# Altium PCB PCB.PcbDoc (part 6 of 11) (continued)
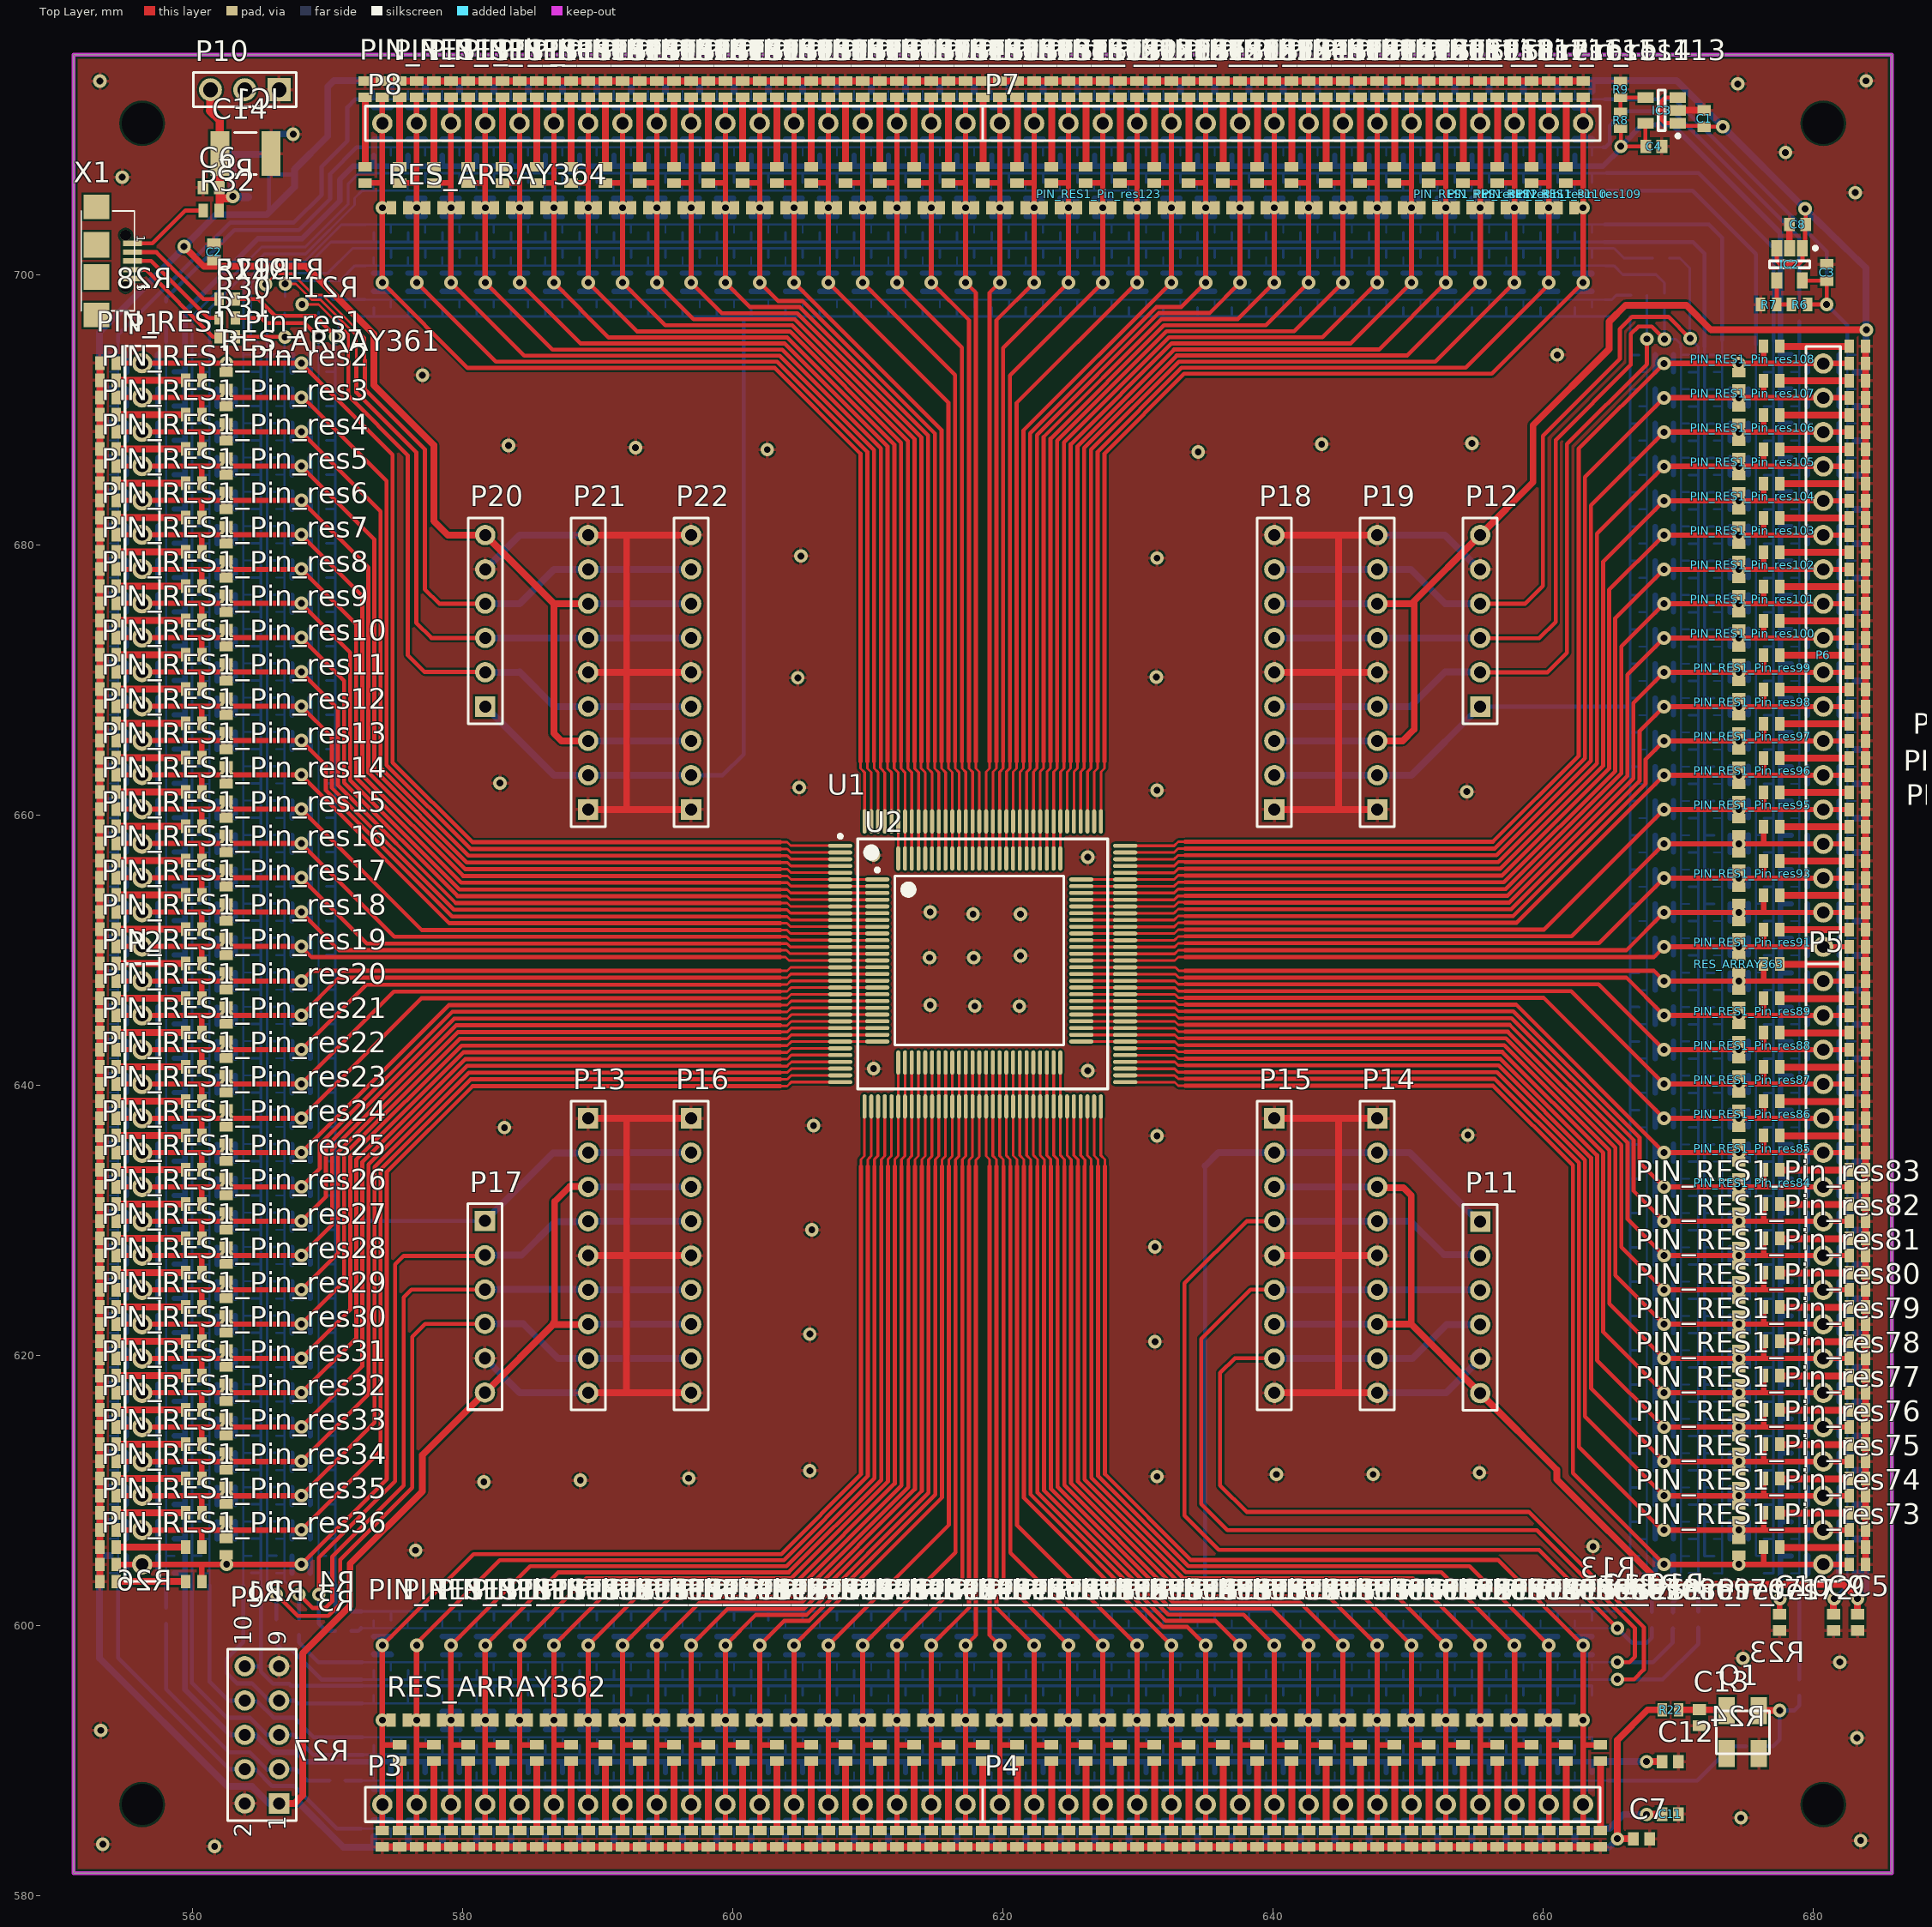
[diagram p0: Top Layer view]
## Nets (pads, with @x,y where several pads share a name; then routed paths per layer and width w, separated by ;. In a path a pad name is that pad's centre, name@x,y a point inside that pad or via, vN(x,y) a via of type N, cw(c..) or ccw(c..) an arc to the next point about the centre after c; other vN are vias at no path point) (continued)
NetPIN_RES1_Pin_res68_15: PIN_RES1_Pin_res68.15 | length 5.2
  Top Layer w0.5: PIN_RES1_Pin_res68.15@654.075,584.749 PIN_RES1_Pin_res68.15@654.075,589.899
NetPIN_RES1_Pin_res69_15: PIN_RES1_Pin_res69.15 | length 5.2
  Top Layer w0.5: PIN_RES1_Pin_res69.15@656.615,584.749 PIN_RES1_Pin_res69.15@656.615,589.899
NetPIN_RES1_Pin_res70_15: PIN_RES1_Pin_res70.15 | length 5.2
  Top Layer w0.5: PIN_RES1_Pin_res70.15@659.155,584.749 PIN_RES1_Pin_res70.15@659.155,589.899
NetPIN_RES1_Pin_res71_15: PIN_RES1_Pin_res71.15 | length 5.2
  Top Layer w0.5: PIN_RES1_Pin_res71.15@661.695,584.749 PIN_RES1_Pin_res71.15@661.695,589.899
NetPIN_RES1_Pin_res72_15: PIN_RES1_Pin_res72.15 | length 5.2
  Top Layer w0.5: PIN_RES1_Pin_res72.15@664.235,584.749 PIN_RES1_Pin_res72.15@664.235,589.899
NetPIN_RES1_Pin_res73_15: PIN_RES1_Pin_res73.15 | length 5.2
  Top Layer w0.5: PIN_RES1_Pin_res73.15@677.459,605.765 PIN_RES1_Pin_res73.15@682.609,605.765
NetPIN_RES1_Pin_res74_15: PIN_RES1_Pin_res74.15 | length 5.2
  Top Layer w0.5: PIN_RES1_Pin_res74.15@677.459,608.305 PIN_RES1_Pin_res74.15@682.609,608.305
NetPIN_RES1_Pin_res75_15: PIN_RES1_Pin_res75.15 | length 5.2
  Top Layer w0.5: PIN_RES1_Pin_res75.15@677.459,610.845 PIN_RES1_Pin_res75.15@682.609,610.845
NetPIN_RES1_Pin_res76_15: PIN_RES1_Pin_res76.15 | length 5.2
  Top Layer w0.5: PIN_RES1_Pin_res76.15@677.459,613.385 PIN_RES1_Pin_res76.15@682.609,613.385
NetPIN_RES1_Pin_res77_15: PIN_RES1_Pin_res77.15 | length 5.2
  Top Layer w0.5: PIN_RES1_Pin_res77.15@677.459,615.925 PIN_RES1_Pin_res77.15@682.609,615.925
NetPIN_RES1_Pin_res78_15: PIN_RES1_Pin_res78.15 | length 5.2
  Top Layer w0.5: PIN_RES1_Pin_res78.15@677.459,618.465 PIN_RES1_Pin_res78.15@682.609,618.465
NetPIN_RES1_Pin_res79_15: PIN_RES1_Pin_res79.15 | length 5.2
  Top Layer w0.5: PIN_RES1_Pin_res79.15@677.459,621.005 PIN_RES1_Pin_res79.15@682.609,621.005
NetPIN_RES1_Pin_res80_15: PIN_RES1_Pin_res80.15 | length 5.2
  Top Layer w0.5: PIN_RES1_Pin_res80.15@677.459,623.545 PIN_RES1_Pin_res80.15@682.609,623.545
NetPIN_RES1_Pin_res81_15: PIN_RES1_Pin_res81.15 | length 5.2
  Top Layer w0.5: PIN_RES1_Pin_res81.15@677.459,626.085 PIN_RES1_Pin_res81.15@682.609,626.085
NetPIN_RES1_Pin_res82_15: PIN_RES1_Pin_res82.15 | length 5.2
  Top Layer w0.5: PIN_RES1_Pin_res82.15@677.459,628.625 PIN_RES1_Pin_res82.15@682.609,628.625
NetPIN_RES1_Pin_res83_15: PIN_RES1_Pin_res83.15 | length 5.2
  Top Layer w0.5: PIN_RES1_Pin_res83.15@677.459,631.165 PIN_RES1_Pin_res83.15@682.609,631.165
NetPIN_RES1_Pin_res84_15: PIN_RES1_Pin_res84.15 | length 5.2
  Top Layer w0.5: PIN_RES1_Pin_res84.15@677.459,633.705 PIN_RES1_Pin_res84.15@682.609,633.705
NetPIN_RES1_Pin_res85_15: PIN_RES1_Pin_res85.15 | length 5.2
  Top Layer w0.5: PIN_RES1_Pin_res85.15@677.459,636.245 PIN_RES1_Pin_res85.15@682.609,636.245
NetPIN_RES1_Pin_res86_15: PIN_RES1_Pin_res86.15 | length 5.2
  Top Layer w0.5: PIN_RES1_Pin_res86.15@677.459,638.785 PIN_RES1_Pin_res86.15@682.609,638.785
NetPIN_RES1_Pin_res87_15: PIN_RES1_Pin_res87.15 | length 5.2
  Top Layer w0.5: PIN_RES1_Pin_res87.15@677.459,641.325 PIN_RES1_Pin_res87.15@682.609,641.325
NetPIN_RES1_Pin_res88_15: PIN_RES1_Pin_res88.15 | length 5.2
  Top Layer w0.5: PIN_RES1_Pin_res88.15@677.459,643.865 PIN_RES1_Pin_res88.15@682.609,643.865
NetPIN_RES1_Pin_res89_15: PIN_RES1_Pin_res89.15 | length 5.2
  Top Layer w0.5: PIN_RES1_Pin_res89.15@677.459,646.405 PIN_RES1_Pin_res89.15@682.609,646.405
NetPIN_RES1_Pin_res90_15: PIN_RES1_Pin_res90.15 | length 5.2
  Top Layer w0.5: PIN_RES1_Pin_res90.15@677.459,648.945 PIN_RES1_Pin_res90.15@682.609,648.945
NetPIN_RES1_Pin_res91_15: PIN_RES1_Pin_res91.15 | length 5.2
  Top Layer w0.5: PIN_RES1_Pin_res91.15@677.459,651.51 PIN_RES1_Pin_res91.15@682.609,651.51
NetPIN_RES1_Pin_res92_15: PIN_RES1_Pin_res92.15 | length 5.2
  Top Layer w0.5: PIN_RES1_Pin_res92.15@677.459,654.05 PIN_RES1_Pin_res92.15@682.609,654.05
NetPIN_RES1_Pin_res93_15: PIN_RES1_Pin_res93.15 | length 5.2
  Top Layer w0.5: PIN_RES1_Pin_res93.15@677.459,656.59 PIN_RES1_Pin_res93.15@682.609,656.59
NetPIN_RES1_Pin_res94_15: PIN_RES1_Pin_res94.15 | length 5.2
  Top Layer w0.5: PIN_RES1_Pin_res94.15@677.459,659.13 PIN_RES1_Pin_res94.15@682.609,659.13
NetPIN_RES1_Pin_res95_15: PIN_RES1_Pin_res95.15 | length 5.2
  Top Layer w0.5: PIN_RES1_Pin_res95.15@677.459,661.67 PIN_RES1_Pin_res95.15@682.609,661.67
NetPIN_RES1_Pin_res96_15: PIN_RES1_Pin_res96.15 | length 5.2
  Top Layer w0.5: PIN_RES1_Pin_res96.15@677.459,664.21 PIN_RES1_Pin_res96.15@682.609,664.21
NetPIN_RES1_Pin_res97_15: PIN_RES1_Pin_res97.15 | length 5.2
  Top Layer w0.5: PIN_RES1_Pin_res97.15@677.459,666.75 PIN_RES1_Pin_res97.15@682.609,666.75
NetPIN_RES1_Pin_res98_15: PIN_RES1_Pin_res98.15 | length 5.2
  Top Layer w0.5: PIN_RES1_Pin_res98.15@677.459,669.29 PIN_RES1_Pin_res98.15@682.609,669.29
NetPIN_RES1_Pin_res99_15: PIN_RES1_Pin_res99.15 | length 5.2
  Top Layer w0.5: PIN_RES1_Pin_res99.15@677.459,671.83 PIN_RES1_Pin_res99.15@682.609,671.83
NetPIN_RES1_Pin_res100_15: PIN_RES1_Pin_res100.15 | length 5.2
  Top Layer w0.5: PIN_RES1_Pin_res100.15@677.459,674.37 PIN_RES1_Pin_res100.15@682.609,674.37
NetPIN_RES1_Pin_res101_15: PIN_RES1_Pin_res101.15 | length 5.2
  Top Layer w0.5: PIN_RES1_Pin_res101.15@677.459,676.91 PIN_RES1_Pin_res101.15@682.609,676.91
NetPIN_RES1_Pin_res102_15: PIN_RES1_Pin_res102.15 | length 5.2
  Top Layer w0.5: PIN_RES1_Pin_res102.15@677.459,679.45 PIN_RES1_Pin_res102.15@682.609,679.45
NetPIN_RES1_Pin_res103_15: PIN_RES1_Pin_res103.15 | length 5.2
  Top Layer w0.5: PIN_RES1_Pin_res103.15@677.459,681.99 PIN_RES1_Pin_res103.15@682.609,681.99
NetPIN_RES1_Pin_res104_15: PIN_RES1_Pin_res104.15 | length 5.2
  Top Layer w0.5: PIN_RES1_Pin_res104.15@677.459,684.53 PIN_RES1_Pin_res104.15@682.609,684.53
NetPIN_RES1_Pin_res105_15: PIN_RES1_Pin_res105.15 | length 5.2
  Top Layer w0.5: PIN_RES1_Pin_res105.15@677.459,687.07 PIN_RES1_Pin_res105.15@682.609,687.07
NetPIN_RES1_Pin_res106_15: PIN_RES1_Pin_res106.15 | length 5.2
  Top Layer w0.5: PIN_RES1_Pin_res106.15@677.459,689.61 PIN_RES1_Pin_res106.15@682.609,689.61
NetPIN_RES1_Pin_res107_15: PIN_RES1_Pin_res107.15 | length 5.2
  Top Layer w0.5: PIN_RES1_Pin_res107.15@677.459,692.15 PIN_RES1_Pin_res107.15@682.609,692.15
NetPIN_RES1_Pin_res108_15: PIN_RES1_Pin_res108.15 | length 5.2
  Top Layer w0.5: PIN_RES1_Pin_res108.15@677.459,694.69 PIN_RES1_Pin_res108.15@682.609,694.69
NetPIN_RES1_Pin_res109_15: PIN_RES1_Pin_res109.15 | length 5.2
  Top Layer w0.5: PIN_RES1_Pin_res109.15@661.695,707.939 PIN_RES1_Pin_res109.15@661.695,713.089
NetPIN_RES1_Pin_res110_15: PIN_RES1_Pin_res110.15 | length 5.2
  Top Layer w0.5: PIN_RES1_Pin_res110.15@659.155,707.939 PIN_RES1_Pin_res110.15@659.155,713.089
NetPIN_RES1_Pin_res111_15: PIN_RES1_Pin_res111.15 | length 5.2
  Top Layer w0.5: PIN_RES1_Pin_res111.15@656.615,707.939 PIN_RES1_Pin_res111.15@656.615,713.089
NetPIN_RES1_Pin_res112_15: PIN_RES1_Pin_res112.15 | length 5.2
  Top Layer w0.5: PIN_RES1_Pin_res112.15@654.075,707.939 PIN_RES1_Pin_res112.15@654.075,713.089
NetPIN_RES1_Pin_res113_15: PIN_RES1_Pin_res113.15 | length 5.2
  Top Layer w0.5: PIN_RES1_Pin_res113.15@651.535,707.939 PIN_RES1_Pin_res113.15@651.535,713.089
NetPIN_RES1_Pin_res114_15: PIN_RES1_Pin_res114.15 | length 5.2
  Top Layer w0.5: PIN_RES1_Pin_res114.15@648.995,707.939 PIN_RES1_Pin_res114.15@648.995,713.089
NetPIN_RES1_Pin_res115_15: PIN_RES1_Pin_res115.15 | length 5.2
  Top Layer w0.5: PIN_RES1_Pin_res115.15@646.455,707.939 PIN_RES1_Pin_res115.15@646.455,713.089
NetPIN_RES1_Pin_res116_15: PIN_RES1_Pin_res116.15 | length 5.2
  Top Layer w0.5: PIN_RES1_Pin_res116.15@643.915,707.939 PIN_RES1_Pin_res116.15@643.915,713.089
NetPIN_RES1_Pin_res117_15: PIN_RES1_Pin_res117.15 | length 5.2
  Top Layer w0.5: PIN_RES1_Pin_res117.15@641.375,707.939 PIN_RES1_Pin_res117.15@641.375,713.089
NetPIN_RES1_Pin_res118_15: PIN_RES1_Pin_res118.15 | length 5.2
  Top Layer w0.5: PIN_RES1_Pin_res118.15@638.835,707.939 PIN_RES1_Pin_res118.15@638.835,713.089
NetPIN_RES1_Pin_res119_15: PIN_RES1_Pin_res119.15 | length 5.2
  Top Layer w0.5: PIN_RES1_Pin_res119.15@636.295,707.939 PIN_RES1_Pin_res119.15@636.295,713.089
NetPIN_RES1_Pin_res120_15: PIN_RES1_Pin_res120.15 | length 5.2
  Top Layer w0.5: PIN_RES1_Pin_res120.15@633.755,707.939 PIN_RES1_Pin_res120.15@633.755,713.089
NetPIN_RES1_Pin_res121_15: PIN_RES1_Pin_res121.15 | length 5.2
  Top Layer w0.5: PIN_RES1_Pin_res121.15@631.215,707.939 PIN_RES1_Pin_res121.15@631.215,713.089
NetPIN_RES1_Pin_res122_15: PIN_RES1_Pin_res122.15 | length 5.2
  Top Layer w0.5: PIN_RES1_Pin_res122.15@628.675,707.939 PIN_RES1_Pin_res122.15@628.675,713.089
NetPIN_RES1_Pin_res123_15: PIN_RES1_Pin_res123.15 | length 5.2
  Top Layer w0.5: PIN_RES1_Pin_res123.15@626.135,707.939 PIN_RES1_Pin_res123.15@626.135,713.089
NetPIN_RES1_Pin_res124_15: PIN_RES1_Pin_res124.15 | length 5.2
  Top Layer w0.5: PIN_RES1_Pin_res124.15@623.595,707.939 PIN_RES1_Pin_res124.15@623.595,713.089
NetPIN_RES1_Pin_res125_15: PIN_RES1_Pin_res125.15 | length 5.2
  Top Layer w0.5: PIN_RES1_Pin_res125.15@621.055,707.939 PIN_RES1_Pin_res125.15@621.055,713.089
NetPIN_RES1_Pin_res126_15: PIN_RES1_Pin_res126.15 | length 5.2
  Top Layer w0.5: PIN_RES1_Pin_res126.15@618.515,707.939 PIN_RES1_Pin_res126.15@618.515,713.089
NetPIN_RES1_Pin_res127_15: PIN_RES1_Pin_res127.15 | length 5.2
  Top Layer w0.5: PIN_RES1_Pin_res127.15@615.95,707.939 PIN_RES1_Pin_res127.15@615.95,713.089
NetPIN_RES1_Pin_res128_15: PIN_RES1_Pin_res128.15 | length 5.2
  Top Layer w0.5: PIN_RES1_Pin_res128.15@613.41,707.939 PIN_RES1_Pin_res128.15@613.41,713.089
NetPIN_RES1_Pin_res129_15: PIN_RES1_Pin_res129.15 | length 5.2
  Top Layer w0.5: PIN_RES1_Pin_res129.15@610.87,707.939 PIN_RES1_Pin_res129.15@610.87,713.089
NetPIN_RES1_Pin_res130_15: PIN_RES1_Pin_res130.15 | length 5.2
  Top Layer w0.5: PIN_RES1_Pin_res130.15@608.33,707.939 PIN_RES1_Pin_res130.15@608.33,713.089
NetPIN_RES1_Pin_res131_15: PIN_RES1_Pin_res131.15 | length 5.2
  Top Layer w0.5: PIN_RES1_Pin_res131.15@605.79,707.939 PIN_RES1_Pin_res131.15@605.79,713.089
NetPIN_RES1_Pin_res132_15: PIN_RES1_Pin_res132.15 | length 5.2
  Top Layer w0.5: PIN_RES1_Pin_res132.15@603.25,707.939 PIN_RES1_Pin_res132.15@603.25,713.089
NetPIN_RES1_Pin_res133_15: PIN_RES1_Pin_res133.15 | length 5.2
  Top Layer w0.5: PIN_RES1_Pin_res133.15@600.71,707.939 PIN_RES1_Pin_res133.15@600.71,713.089
NetPIN_RES1_Pin_res134_15: PIN_RES1_Pin_res134.15 | length 5.2
  Top Layer w0.5: PIN_RES1_Pin_res134.15@598.17,707.939 PIN_RES1_Pin_res134.15@598.17,713.089
NetPIN_RES1_Pin_res135_15: PIN_RES1_Pin_res135.15 | length 5.2
  Top Layer w0.5: PIN_RES1_Pin_res135.15@595.63,707.939 PIN_RES1_Pin_res135.15@595.63,713.089
NetPIN_RES1_Pin_res136_15: PIN_RES1_Pin_res136.15 | length 5.2
  Top Layer w0.5: PIN_RES1_Pin_res136.15@593.09,707.939 PIN_RES1_Pin_res136.15@593.09,713.089
NetPIN_RES1_Pin_res137_15: PIN_RES1_Pin_res137.15 | length 5.2
  Top Layer w0.5: PIN_RES1_Pin_res137.15@590.55,707.939 PIN_RES1_Pin_res137.15@590.55,713.089
NetPIN_RES1_Pin_res138_15: PIN_RES1_Pin_res138.15 | length 5.2
  Top Layer w0.5: PIN_RES1_Pin_res138.15@588.01,707.939 PIN_RES1_Pin_res138.15@588.01,713.089
NetPIN_RES1_Pin_res139_15: PIN_RES1_Pin_res139.15 | length 5.2
  Top Layer w0.5: PIN_RES1_Pin_res139.15@585.47,707.939 PIN_RES1_Pin_res139.15@585.47,713.089
NetPIN_RES1_Pin_res140_15: PIN_RES1_Pin_res140.15 | length 5.2
  Top Layer w0.5: PIN_RES1_Pin_res140.15@582.93,707.939 PIN_RES1_Pin_res140.15@582.93,713.089
NetPIN_RES1_Pin_res141_15: PIN_RES1_Pin_res141.15 | length 5.2
  Top Layer w0.5: PIN_RES1_Pin_res141.15@580.39,707.939 PIN_RES1_Pin_res141.15@580.39,713.089
NetPIN_RES1_Pin_res142_15: PIN_RES1_Pin_res142.15 | length 5.2
  Top Layer w0.5: PIN_RES1_Pin_res142.15@577.85,707.939 PIN_RES1_Pin_res142.15@577.85,713.089
NetPIN_RES1_Pin_res143_15: PIN_RES1_Pin_res143.15 | length 5.2
  Top Layer w0.5: PIN_RES1_Pin_res143.15@575.31,707.939 PIN_RES1_Pin_res143.15@575.31,713.089
NetPIN_RES1_Pin_res144_15: PIN_RES1_Pin_res144.15 | length 5.2
  Top Layer w0.5: PIN_RES1_Pin_res144.15@572.77,707.939 PIN_RES1_Pin_res144.15@572.77,713.089
OSC: Q1.3 R23.1 R24.1 | length 7.5
  Top Layer w0.5: Q1.3@675.957,593.699 v1(677.494,593.7)
  Bottom Layer w0.3: R24.1@676.189,591.058 677.012,591.058 677.494,591.541 v1(677.494,593.7) 678.561,593.7 678.942,594.081 R23.1@678.942,594.801
P1: P1.1 PIN_RES1_Pin_res1.14 RES_ARRAY361.1 U1.1 | length 93.7
  Top Layer w0.2: 603.504,657.986 604.012,657.986 604.266,657.732 607.928,657.732 U1.1@607.94,657.72
  Top Layer w0.3: v1@568.046,693.42 574.802,686.664 574.802,663.88 580.696,657.986 603.503,657.986
  Top Layer w0.4: PIN_RES1_Pin_res1.14@554.32,693.445 P1.1@556.26,693.445 560.705,693.445 ; PIN_RES1_Pin_res1.14@560.67,692.175 560.67,693.41 560.705,693.445 ; RES_ARRAY361.1@562.483,692.785 562.483,693.42 v1(562.508,693.445) ; v1(568.046,693.445) v1(562.508,693.445) ; 560.705,693.445 v1(562.508,693.445)
  Bottom Layer w0.4: PIN_RES1_Pin_res1.14@567.35,692.785 567.35,693.445 ; PIN_RES1_Pin_res1.14@567.35,694.055 567.35,693.445 ; PIN_RES1_Pin_res1.14@567.401,692.81 567.401,693.445 ; PIN_RES1_Pin_res1.14@567.401,694.08 567.401,693.445 ; PIN_RES1_Pin_res1.14@568.69,692.81 568.69,693.445 ; PIN_RES1_Pin_res1.14@568.69,694.08 568.69,693.445 ; 567.35,693.445 567.401,693.445 ; 567.401,693.445 v1(568.046,693.445) 568.69,693.445
  Bottom Layer w0.5: PIN_RES1_Pin_res1.14@555.082,692.81 PIN_RES1_Pin_res1.14@555.082,694.08 ; 555.117,693.445 P1.1@556.26,693.445 557.403,693.445 ; PIN_RES1_Pin_res1.14@557.438,692.81 PIN_RES1_Pin_res1.14@557.438,694.08
P2: P1.2 PIN_RES1_Pin_res2.14 RES_ARRAY361.2 U1.2 | length 93.8
  Top Layer w0.2: 603.504,657.478 604.024,657.478 604.282,657.22 U1.2@607.94,657.22
  Top Layer w0.3: v1@568.095,690.98 574.352,684.724 574.352,663.693 580.567,657.478 603.504,657.478
  Top Layer w0.4: PIN_RES1_Pin_res2.14@554.32,690.905 P1.2@556.26,690.905 560.705,690.905 ; PIN_RES1_Pin_res2.14@560.67,689.635 560.67,690.87 560.705,690.905 ; v1(568.046,690.905) v1(562.508,690.905) 562.483,690.905 560.705,690.905
  Bottom Layer w0.4: PIN_RES1_Pin_res2.14@555.082,690.27 555.082,690.905 ; PIN_RES1_Pin_res2.14@555.082,691.54 555.082,690.905 ; PIN_RES1_Pin_res2.14@557.438,690.27 557.438,690.905 ; PIN_RES1_Pin_res2.14@557.438,691.54 557.438,690.905 ; PIN_RES1_Pin_res2.14@561.813,690.245 561.813,690.905 ; PIN_RES1_Pin_res2.14@561.813,691.515 561.813,690.905 ; PIN_RES1_Pin_res2.14@563.153,690.27 563.153,690.905 ; PIN_RES1_Pin_res2.14@563.153,691.54 563.153,690.905 ; PIN_RES1_Pin_res2.14@567.35,690.245 567.35,690.905 ; PIN_RES1_Pin_res2.14@567.35,691.515 567.35,690.905 ; PIN_RES1_Pin_res2.14@568.69,690.27 568.69,690.905 ; PIN_RES1_Pin_res2.14@568.69,691.54 568.69,690.905 ; 555.082,690.905 P1.2@556.26,690.905 557.438,690.905 ; 561.813,690.905 v1(562.508,690.905) 563.153,690.905 ; 567.35,690.905 v1(568.046,690.905) 568.69,690.905
P3: P1.3 PIN_RES1_Pin_res3.14 RES_ARRAY361.3 U1.3 | length 91.8
  Top Layer w0.2: 603.504,656.986 604.021,656.986 604.275,656.732 607.928,656.732 U1.3@607.94,656.72
  Top Layer w0.3: v1@568.046,688.34 573.902,682.484 573.902,663.507 580.423,656.986 603.504,656.986
  Top Layer w0.4: PIN_RES1_Pin_res3.14@554.32,688.365 P1.3@556.26,688.365 560.705,688.365 ; PIN_RES1_Pin_res3.14@560.67,687.095 560.67,688.33 560.705,688.365 ; v1(568.046,688.365) v1(562.508,688.365) 562.483,688.365 560.705,688.365
  Bottom Layer w0.4: PIN_RES1_Pin_res3.14@555.082,687.73 555.082,688.365 ; PIN_RES1_Pin_res3.14@555.082,689 555.082,688.365 ; PIN_RES1_Pin_res3.14@557.438,687.73 557.438,688.365 ; PIN_RES1_Pin_res3.14@557.438,689 557.438,688.365 ; PIN_RES1_Pin_res3.14@561.813,687.705 561.813,688.365 ; PIN_RES1_Pin_res3.14@561.813,688.975 561.813,688.365 ; PIN_RES1_Pin_res3.14@563.153,687.73 563.153,688.365 ; PIN_RES1_Pin_res3.14@563.153,689 563.153,688.365 ; PIN_RES1_Pin_res3.14@567.35,687.705 567.35,688.365 ; PIN_RES1_Pin_res3.14@567.35,688.975 567.35,688.365 ; PIN_RES1_Pin_res3.14@568.69,687.73 568.69,688.365 ; PIN_RES1_Pin_res3.14@568.69,689 568.69,688.365 ; 555.082,688.365 P1.3@556.26,688.365 557.438,688.365 ; 561.813,688.365 v1(562.508,688.365) 563.153,688.365 ; 567.35,688.365 v1(568.046,688.365) 568.69,688.365
P4: P1.4 PIN_RES1_Pin_res4.14 RES_ARRAY361.4 U1.4 | length 89.8
  Top Layer w0.2: 603.504,656.478 604.034,656.478 604.292,656.22 U1.4@607.94,656.22
  Top Layer w0.3: v1@568.046,685.8 573.452,680.394 573.452,663.321 580.295,656.478 603.504,656.478
  Top Layer w0.4: PIN_RES1_Pin_res4.14@554.32,685.825 P1.4@556.26,685.825 560.705,685.825 ; PIN_RES1_Pin_res4.14@560.67,684.555 560.67,685.79 560.705,685.825 ; v1(568.046,685.825) v1(562.508,685.825) 562.483,685.825 560.705,685.825
  Bottom Layer w0.4: PIN_RES1_Pin_res4.14@555.082,685.19 555.082,685.825 ; PIN_RES1_Pin_res4.14@555.082,686.46 555.082,685.825 ; PIN_RES1_Pin_res4.14@557.438,685.19 557.438,685.825 ; PIN_RES1_Pin_res4.14@557.438,686.46 557.438,685.825 ; PIN_RES1_Pin_res4.14@561.813,685.165 561.813,685.825 ; PIN_RES1_Pin_res4.14@561.813,686.435 561.813,685.825 ; PIN_RES1_Pin_res4.14@563.153,685.19 563.153,685.825 ; PIN_RES1_Pin_res4.14@563.153,686.46 563.153,685.825 ; PIN_RES1_Pin_res4.14@567.35,685.165 567.35,685.825 ; PIN_RES1_Pin_res4.14@567.35,686.435 567.35,685.825 ; PIN_RES1_Pin_res4.14@568.69,685.19 568.69,685.825 ; PIN_RES1_Pin_res4.14@568.69,686.46 568.69,685.825 ; 555.082,685.825 P1.4@556.26,685.825 557.438,685.825 ; 561.813,685.825 v1(562.508,685.825) 563.153,685.825 ; 567.35,685.825 v1(568.046,685.825) 568.69,685.825
P5: P1.5 PIN_RES1_Pin_res5.14 RES_ARRAY361.5 U1.5 | length 87.9
  Top Layer w0.2: 603.504,655.986 604.031,655.986 604.285,655.732 607.928,655.732 U1.5@607.94,655.72
  Top Layer w0.3: v1@568.046,683.26 573.002,678.304 573.002,663.134 580.15,655.986 603.504,655.986
  Top Layer w0.4: PIN_RES1_Pin_res5.14@554.32,683.285 P1.5@556.26,683.285 560.705,683.285 ; PIN_RES1_Pin_res5.14@560.67,682.015 560.67,683.25 560.705,683.285 ; v1(568.046,683.285) v1(562.508,683.285) 562.483,683.285 560.705,683.285
  Bottom Layer w0.4: PIN_RES1_Pin_res5.14@555.082,682.65 555.082,683.285 ; PIN_RES1_Pin_res5.14@555.082,683.92 555.082,683.285 ; PIN_RES1_Pin_res5.14@557.438,682.65 557.438,683.285 ; PIN_RES1_Pin_res5.14@557.438,683.92 557.438,683.285 ; PIN_RES1_Pin_res5.14@561.813,682.625 561.813,683.285 ; PIN_RES1_Pin_res5.14@561.813,683.895 561.813,683.285 ; PIN_RES1_Pin_res5.14@563.153,682.65 563.153,683.285 ; PIN_RES1_Pin_res5.14@563.153,683.92 563.153,683.285 ; PIN_RES1_Pin_res5.14@567.35,682.625 567.35,683.285 ; PIN_RES1_Pin_res5.14@567.35,683.895 567.35,683.285 ; PIN_RES1_Pin_res5.14@568.69,682.65 568.69,683.285 ; PIN_RES1_Pin_res5.14@568.69,683.92 568.69,683.285 ; 555.082,683.285 P1.5@556.26,683.285 557.438,683.285 ; 561.813,683.285 v1(562.508,683.285) 563.153,683.285 ; 567.35,683.285 v1(568.046,683.285) 568.69,683.285
P6: P1.6 PIN_RES1_Pin_res6.14 RES_ARRAY361.6 U1.6 U2.1 | length 88.6
  Top Layer w0.2: 603.504,655.478 604.044,655.478 604.302,655.22 U1.6@607.94,655.22 610.682,655.22 U2.1@610.686,655.224
  Top Layer w0.3: v1@568.046,680.72 572.552,676.214 572.552,662.948 580.022,655.478 603.504,655.478
  Top Layer w0.4: PIN_RES1_Pin_res6.14@554.32,680.745 P1.6@556.26,680.745 560.705,680.745 ; PIN_RES1_Pin_res6.14@560.67,679.475 560.67,680.71 560.705,680.745 ; v1(568.046,680.745) v1(562.508,680.745) 562.483,680.745 560.705,680.745
  Bottom Layer w0.4: PIN_RES1_Pin_res6.14@555.082,680.11 555.082,680.745 ; PIN_RES1_Pin_res6.14@555.082,681.38 555.082,680.745 ; PIN_RES1_Pin_res6.14@557.438,680.11 557.438,680.745 ; PIN_RES1_Pin_res6.14@557.438,681.38 557.438,680.745 ; PIN_RES1_Pin_res6.14@561.813,680.085 561.813,680.745 ; PIN_RES1_Pin_res6.14@561.813,681.355 561.813,680.745 ; PIN_RES1_Pin_res6.14@563.153,680.11 563.153,680.745 ; PIN_RES1_Pin_res6.14@563.153,681.38 563.153,680.745 ; PIN_RES1_Pin_res6.14@567.35,680.085 567.35,680.745 ; PIN_RES1_Pin_res6.14@567.35,681.355 567.35,680.745 ; PIN_RES1_Pin_res6.14@568.69,680.11 568.69,680.745 ; PIN_RES1_Pin_res6.14@568.69,681.38 568.69,680.745 ; 555.082,680.745 P1.6@556.26,680.745 557.438,680.745 ; 561.813,680.745 v1(562.508,680.745) 563.153,680.745 ; 567.35,680.745 v1(568.046,680.745) 568.69,680.745
P7: P1.7 PIN_RES1_Pin_res7.14 RES_ARRAY361.7 U1.7 U2.2 | length 87.4
  Top Layer w0.2: 603.504,654.986 604.041,654.986 604.295,654.732 607.928,654.732 U1.7@607.94,654.72 610.682,654.72 U2.2@610.686,654.724
  Top Layer w0.3: v1@568.046,678.18 572.102,674.124 572.102,662.761 579.877,654.986 603.504,654.986
  Top Layer w0.4: PIN_RES1_Pin_res7.14@554.32,678.18 560.705,678.18 ; PIN_RES1_Pin_res7.14@560.67,676.91 PIN_RES1_Pin_res7.14@560.67,676.935 560.67,678.145 560.705,678.18 ; v1@568.046,678.18 562.483,678.18 560.705,678.18
  Bottom Layer w0.4: PIN_RES1_Pin_res7.14@555.082,677.57 555.082,678.205 ; PIN_RES1_Pin_res7.14@555.082,678.84 555.082,678.205 ; PIN_RES1_Pin_res7.14@557.438,677.57 557.438,678.205 ; PIN_RES1_Pin_res7.14@557.438,678.84 557.438,678.205 ; PIN_RES1_Pin_res7.14@561.813,677.545 561.813,678.205 ; PIN_RES1_Pin_res7.14@561.813,678.815 561.813,678.205 ; PIN_RES1_Pin_res7.14@563.153,677.57 563.153,678.205 ; PIN_RES1_Pin_res7.14@563.153,678.84 563.153,678.205 ; PIN_RES1_Pin_res7.14@567.35,677.545 567.35,678.18 ; PIN_RES1_Pin_res7.14@567.35,678.815 567.35,678.205 ; v1@568.046,678.18 567.35,678.18 ; PIN_RES1_Pin_res7.14@568.69,677.57 568.69,678.205 ; PIN_RES1_Pin_res7.14@568.69,678.84 568.69,678.205 ; 555.082,678.205 P1.7@556.26,678.205 557.438,678.205 ; 561.813,678.205 v1(562.508,678.205) 563.153,678.205 ; 567.35,678.18 567.35,678.205 ; 567.35,678.205 v1(568.046,678.205) 568.69,678.205
P8: P1.8 PIN_RES1_Pin_res8.14 RES_ARRAY361.8 U1.8 U2.3 | length 84.7
  Top Layer w0.2: 603.504,654.478 604.012,654.478 604.27,654.22 U1.8@607.94,654.22 610.682,654.22 U2.3@610.686,654.224
  Top Layer w0.3: v1@568.046,675.64 571.652,672.034 571.652,662.575 579.749,654.478 603.504,654.478
  Top Layer w0.4: PIN_RES1_Pin_res8.14@554.32,675.665 P1.8@556.26,675.665 560.705,675.665 ; PIN_RES1_Pin_res8.14@560.67,674.395 560.67,675.63 560.705,675.665 ; v1(568.046,675.665) v1(562.508,675.665) 562.483,675.665 560.705,675.665
  Bottom Layer w0.4: PIN_RES1_Pin_res8.14@555.082,675.03 555.082,675.665 ; PIN_RES1_Pin_res8.14@555.082,676.3 555.082,675.665 ; PIN_RES1_Pin_res8.14@557.438,675.03 557.438,675.665 ; PIN_RES1_Pin_res8.14@557.438,676.3 557.438,675.665 ; PIN_RES1_Pin_res8.14@561.813,675.005 561.813,675.665 ; PIN_RES1_Pin_res8.14@561.813,676.275 561.813,675.665 ; PIN_RES1_Pin_res8.14@563.153,675.03 563.153,675.665 ; PIN_RES1_Pin_res8.14@563.153,676.3 563.153,675.665 ; PIN_RES1_Pin_res8.14@567.35,675.005 567.35,675.665 ; PIN_RES1_Pin_res8.14@567.35,676.275 567.35,675.665 ; PIN_RES1_Pin_res8.14@568.69,675.03 568.69,675.665 ; PIN_RES1_Pin_res8.14@568.69,676.3 568.69,675.665 ; 555.082,675.665 P1.8@556.26,675.665 557.438,675.665 ; 561.813,675.665 v1(562.508,675.665) 563.153,675.665 ; 567.35,675.665 v1(568.046,675.665) 568.69,675.665
P9: P1.9 PIN_RES1_Pin_res9.14 RES_ARRAY361.9 U1.9 U2.4 | length 82.8
  Top Layer w0.2: 603.504,653.986 604,653.986 604.254,653.732 607.928,653.732 U1.9@607.94,653.72 610.682,653.72 U2.4@610.686,653.724
  Top Layer w0.3: v1@568.046,673.1 571.202,669.944 571.202,662.389 579.605,653.986 603.504,653.986
  Top Layer w0.4: PIN_RES1_Pin_res9.14@554.32,673.125 P1.9@556.26,673.125 560.705,673.125 ; PIN_RES1_Pin_res9.14@560.67,671.855 560.67,673.09 560.705,673.125 ; v1(568.046,673.125) v1(562.508,673.125) 562.483,673.125 560.705,673.125
  Bottom Layer w0.4: PIN_RES1_Pin_res9.14@555.082,672.49 555.082,673.125 ; PIN_RES1_Pin_res9.14@555.082,673.76 555.082,673.125 ; PIN_RES1_Pin_res9.14@557.438,672.49 557.438,673.125 ; PIN_RES1_Pin_res9.14@557.438,673.76 557.438,673.125 ; PIN_RES1_Pin_res9.14@561.813,672.465 561.813,673.125 ; PIN_RES1_Pin_res9.14@561.813,673.735 561.813,673.125 ; PIN_RES1_Pin_res9.14@563.153,672.49 563.153,673.125 ; PIN_RES1_Pin_res9.14@563.153,673.76 563.153,673.125 ; PIN_RES1_Pin_res9.14@567.35,672.465 567.35,673.125 ; PIN_RES1_Pin_res9.14@567.35,673.735 567.35,673.125 ; PIN_RES1_Pin_res9.14@568.69,672.49 568.69,673.125 ; PIN_RES1_Pin_res9.14@568.69,673.76 568.69,673.125 ; 555.082,673.125 P1.9@556.26,673.125 557.438,673.125 ; 561.813,673.125 v1(562.508,673.125) 563.153,673.125 ; 567.35,673.125 v1(568.046,673.125) 568.69,673.125
P10: P1.10 PIN_RES1_Pin_res10.14 RES_ARRAY361.10 U1.10 U2.5 | length 80.8
  Top Layer w0.2: 603.504,653.478 604.012,653.478 604.27,653.22 U1.10@607.94,653.22 610.682,653.22 U2.5@610.686,653.224
  Top Layer w0.3: v1@568.046,670.56 570.752,667.854 570.752,662.202 579.476,653.478 603.504,653.478
  Top Layer w0.4: PIN_RES1_Pin_res10.14@554.32,670.585 P1.10@556.26,670.585 560.705,670.585 ; PIN_RES1_Pin_res10.14@560.67,669.315 560.67,670.55 560.705,670.585 ; v1(568.046,670.585) v1(562.508,670.585) 562.483,670.585 560.705,670.585
  Bottom Layer w0.4: PIN_RES1_Pin_res10.14@555.082,669.95 555.082,670.585 ; PIN_RES1_Pin_res10.14@555.082,671.22 555.082,670.585 ; PIN_RES1_Pin_res10.14@557.438,669.95 557.438,670.585 ; PIN_RES1_Pin_res10.14@557.438,671.22 557.438,670.585 ; PIN_RES1_Pin_res10.14@561.813,669.925 561.813,670.585 ; PIN_RES1_Pin_res10.14@561.813,671.195 561.813,670.585 ; PIN_RES1_Pin_res10.14@563.153,669.95 563.153,670.585 ; PIN_RES1_Pin_res10.14@563.153,671.22 563.153,670.585 ; PIN_RES1_Pin_res10.14@567.35,669.925 567.35,670.585 ; PIN_RES1_Pin_res10.14@567.35,671.195 567.35,670.585 ; PIN_RES1_Pin_res10.14@568.69,669.95 568.69,670.585 ; PIN_RES1_Pin_res10.14@568.69,671.22 568.69,670.585 ; 555.082,670.585 P1.10@556.26,670.585 557.438,670.585 ; 561.813,670.585 v1(562.508,670.585) 563.153,670.585 ; 567.35,670.585 v1(568.046,670.585) 568.69,670.585
P11: P1.11 PIN_RES1_Pin_res11.14 RES_ARRAY361.11 U1.11 U2.6 | length 78.8
  Top Layer w0.2: 603.504,652.986 604.009,652.986 604.263,652.732 607.928,652.732 U1.11@607.94,652.72 610.682,652.72 U2.6@610.686,652.724
  Top Layer w0.3: v1@568.046,668.02 570.302,665.764 570.302,662.016 579.332,652.986 603.504,652.986
  Top Layer w0.4: PIN_RES1_Pin_res11.14@554.32,668.045 P1.11@556.26,668.045 560.705,668.045 ; PIN_RES1_Pin_res11.14@560.67,666.775 560.67,668.01 560.705,668.045 ; v1(568.046,668.045) v1(562.508,668.045) 562.483,668.045 560.705,668.045
  Bottom Layer w0.4: PIN_RES1_Pin_res11.14@555.082,667.41 555.082,668.045 ; PIN_RES1_Pin_res11.14@555.082,668.68 555.082,668.045 ; PIN_RES1_Pin_res11.14@557.438,667.41 557.438,668.045 ; PIN_RES1_Pin_res11.14@557.438,668.68 557.438,668.045 ; PIN_RES1_Pin_res11.14@561.813,667.385 561.813,668.045 ; PIN_RES1_Pin_res11.14@561.813,668.655 561.813,668.045 ; PIN_RES1_Pin_res11.14@563.153,667.41 563.153,668.045 ; PIN_RES1_Pin_res11.14@563.153,668.68 563.153,668.045 ; PIN_RES1_Pin_res11.14@567.35,667.385 567.35,668.045 ; PIN_RES1_Pin_res11.14@567.35,668.655 567.35,668.045 ; PIN_RES1_Pin_res11.14@568.69,667.41 568.69,668.045 ; PIN_RES1_Pin_res11.14@568.69,668.68 568.69,668.045 ; 555.082,668.045 P1.11@556.26,668.045 557.438,668.045 ; 561.813,668.045 v1(562.508,668.045) 563.153,668.045 ; 567.35,668.045 v1(568.046,668.045) 568.69,668.045